# KiCad board 8851_HW-U1-VCU118_REV2-0_071417.kicad_pcb (continued)
## Routing (per net, layer and track width the routed paths; a pad name or vN(x,y) marks a point on that pad's centre or on a via; arc(x,y) is an arc through that point) (continued)
  10_GND w0.375: 26.51,125.11 26.51,126.16 ; 26.51,126.16 25.72,125.36 ; 26.51,126.16 25.46,126.16 ; 26.51,126.16 25.72,126.95 ; 26.51,126.16 27.56,126.16 ; 26.51,126.16 27.3,126.95 ; 26.51,126.16 27.3,125.36 ; 26.51,126.16 26.51,127.21 ; 52.91,23.06 54.03,23.06 ; 54.03,23.06 54.86,23.9 ; 54.03,23.06 53.19,23.9 ; 54.03,23.06 53.19,22.23 ; 54.03,23.06 54.03,24.18 ; 54.03,23.06 54.03,21.95 ; 54.03,23.06 54.86,22.23 ; 54.03,23.06 55.14,23.06 ; 54.03,55.32 54.86,54.49 ; 54.03,55.32 53.19,56.16 ; 54.03,55.32 52.91,55.32 ; 54.03,55.32 54.03,56.43 ; 54.03,55.32 53.19,54.49 ; 54.03,55.32 54.03,54.21 ; 54.03,55.32 54.86,56.16 ; 48.92,15.88 49.75,15.04 ; 48.92,15.88 48.08,16.71 ; 48.92,15.88 48.08,15.04 ; 48.92,15.88 49.75,16.71 ; 48.92,15.88 48.92,14.77 ; 48.92,15.88 48.92,16.99 ; 48.92,15.88 47.8,15.88 ; 48.92,15.88 50.03,15.88 ; 229.3,31.77 229.3,32.82 ; 229.3,31.77 229.3,30.72 ; 229.3,31.77 230.35,31.77 ; 229.3,31.77 230.09,30.98 ; 229.3,31.77 228.25,31.77 ; 229.3,31.77 228.51,30.98 ; 229.3,31.77 230.09,32.56 ; 229.3,31.77 228.51,32.56 ; 54.03,30.15 54.86,30.99 ; 54.03,30.15 55.14,30.15 ; 54.03,30.15 54.86,29.31 ; 54.03,30.15 54.03,31.26 ; 54.03,30.15 53.19,30.99 ; 54.03,30.15 53.19,29.31 ; 54.03,30.15 54.03,29.04 ; 54.03,30.15 52.91,30.15 ; 7.38,59.75 7.38,60.86 ; 7.38,59.75 6.55,58.91 ; 7.38,59.75 7.38,58.64 ; 7.38,59.75 6.27,59.75 ; 7.38,59.75 8.22,60.59 ; 7.38,59.75 8.22,58.91 ; 7.38,59.75 8.49,59.75 ; 7.38,59.75 6.55,60.59 ; 48,95.37 J27.1 ; J27.1 47.21,97.22 ; J27.1 48.79,97.22 ; J27.1 46.95,96.42 ; J27.1 47.21,95.63 ; J27.1 48.79,95.63 ; J27.1 49.05,96.42 ; J27.1 48,97.48 ; 38.39,41.05 39.5,41.05 ; 38.39,41.05 37.27,41.05 ; 38.39,41.05 39.22,40.21 ; 38.39,41.05 37.55,40.21 ; 38.39,41.05 38.39,39.94 ; 10.9,102.95 11.69,103.74 ; 10.9,102.95 11.95,102.95 ; 10.9,102.95 11.69,102.15 ; 10.9,102.95 10.11,102.15 ; 10.9,102.95 9.85,102.95 ; 10.9,102.95 10.9,104 ; 10.9,102.95 10.9,101.9 ; 10.9,102.95 10.11,103.74 ; 203.83,132.44 204.73,133.34 ; 203.83,132.44 202.93,133.34 ; 203.83,132.44 202.93,131.54 ; 203.83,132.44 205.03,132.44 ; 203.83,132.44 203.83,133.64 ; 203.83,132.44 202.63,132.44 ; 203.83,132.44 204.73,131.54 ; 203.83,132.44 203.83,131.24 ; 195.12,15.3 195.92,14.51 ; 195.12,15.3 196.18,15.3 ; 195.12,15.3 195.12,16.35 ; 195.12,15.3 194.33,16.09 ; 195.12,15.3 194.33,14.51 ; 195.12,15.3 195.92,16.09 ; 195.12,15.3 195.12,14.25 ; MH7.1 9.1,91.5 ; MH7.1 9.1,94.95 ; MH7.1 5.65,94.95 ; MH7.1 5.65,91.5 ; MH7.1 9.74,93.22 ; MH7.1 5.01,93.22 ; MH7.1 7.38,95.59 ; MH7.1 7.38,90.86 ; 43.65,60.59 44.49,59.75 ; 44.49,59.75 45.32,60.59 ; 44.49,59.75 45.32,58.91 ; 44.49,59.75 45.6,59.75 ; 44.49,59.75 44.49,58.64 ; 44.49,59.75 44.49,60.86 ; 44.49,59.75 43.65,58.91 ; 44.49,59.75 43.38,59.75 ; 208.75,131.24 208.75,132.44 ; 208.75,132.44 207.86,133.34 ; 208.75,132.44 207.55,132.44 ; 208.75,132.44 207.86,131.54 ; 208.75,132.44 209.95,132.44 ; 208.75,132.44 208.75,133.64 ; 208.75,132.44 209.65,133.34 ; 208.75,132.44 209.65,131.54 ; 53.19,49.07 54.03,48.24 ; 54.03,48.24 55.14,48.24 ; 54.03,48.24 54.86,49.07 ; 54.03,48.24 54.86,47.4 ; 54.03,48.24 52.91,48.24 ; 54.03,48.24 54.03,47.12 ; 54.03,48.24 53.19,47.4 ; 54.03,48.24 54.03,49.35 ; 37.27,15.88 38.39,15.88 ; 38.39,15.88 39.22,15.04 ; 38.39,15.88 38.39,14.77 ; 38.39,15.88 37.55,15.04 ; 38.39,15.88 39.5,15.88 ; 10.97,16.71 11.81,15.88 ; 11.81,15.88 12.92,15.88 ; 11.81,15.88 12.65,15.04 ; 11.81,15.88 12.65,16.71 ; 11.81,15.88 11.81,16.99 ; 11.81,15.88 11.81,14.77 ; 11.81,15.88 10.97,15.04 ; 11.81,15.88 10.7,15.88 ; 114.39,135.43 MH2.1 ; MH2.1 116.75,133.06 ; MH2.1 115.03,133.7 ; MH2.1 116.75,137.79 ; MH2.1 115.03,137.15 ; MH2.1 118.47,137.15 ; MH2.1 118.47,133.7 ; MH2.1 119.11,135.43 ; 210.02,134.9 211.22,134.9 ; 211.22,134.9 212.11,134 ; 211.22,134.9 211.22,133.7 ; 211.22,134.9 211.22,136.1 ; 211.22,134.9 210.32,134 ; 211.22,134.9 210.32,135.8 ; 211.22,134.9 212.11,135.8 ; 211.22,134.9 212.42,134.9 ; 15.4,58.91 16.24,59.75 ; 16.24,59.75 16.24,58.64 ; 16.24,59.75 16.24,60.86 ; 16.24,59.75 17.08,60.59 ; 16.24,59.75 17.08,58.91 ; 16.24,59.75 15.4,60.59 ; 16.24,59.75 15.13,59.75 ; 16.24,59.75 17.35,59.75 ; 229.3,38.22 229.3,39.27 ; 229.3,39.27 230.09,38.48 ; 229.3,39.27 228.51,40.06 ; 229.3,39.27 230.35,39.27 ; 229.3,39.27 228.25,39.27 ; 229.3,39.27 228.51,38.48 ; 229.3,39.27 229.3,40.32 ; 229.3,39.27 230.09,40.06 ; 29.53,14.77 29.53,15.88 ; 29.53,15.88 29.53,16.99 ; 29.53,15.88 30.36,16.71 ; 29.53,15.88 30.36,15.04 ; 29.53,15.88 28.41,15.88 ; 29.53,15.88 28.69,16.71 ; 29.53,15.88 28.69,15.04 ; 29.53,15.88 30.64,15.88 ; 197.12,34 J38.1 ; J38.1 197.92,34.26 ; J38.1 196.07,35.05 ; J38.1 198.18,35.05 ; J38.1 197.92,35.84 ; J38.1 196.33,35.84 ; J38.1 196.33,34.26 ; J38.1 197.12,36.1 ; MH1.1 234.22,166.2 ; MH1.1 232.5,170.29 ; MH1.1 232.5,165.56 ; MH1.1 234.22,169.65 ; MH1.1 234.86,167.93 ; MH1.1 230.14,167.93 ; MH1.1 230.78,169.65 ; MH1.1 230.78,166.2 ; 25.1,59.75 25.94,60.59 ; 25.1,59.75 25.1,58.64 ; 25.1,59.75 23.99,59.75 ; 25.1,59.75 24.26,58.91 ; 25.1,59.75 25.1,60.86 ; 25.1,59.75 26.21,59.75 ; 25.1,59.75 24.26,60.59 ; 25.1,59.75 25.94,58.91 ; 192.29,132.92 193.34,132.92 ; 193.34,132.92 194.13,132.13 ; 193.34,132.92 194.13,133.72 ; 193.34,132.92 192.55,132.13 ; 193.34,132.92 192.55,133.72 ; 193.34,132.92 193.34,133.97 ; 193.34,132.92 194.39,132.92 ; 193.34,132.92 193.34,131.87 ; 16.24,33.47 16.24,34.58 ; 16.24,34.58 17.08,33.74 ; 16.24,34.58 15.13,34.58 ; 16.24,34.58 17.35,34.58 ; 16.24,34.58 16.24,35.69 ; 16.24,34.58 17.08,35.42 ; 16.24,34.58 15.4,33.74 ; 16.24,34.58 15.4,35.42 ; 229.3,29.27 230.35,29.27 ; 229.3,29.27 228.51,30.06 ; 229.3,29.27 229.3,30.32 ; 229.3,29.27 230.09,28.48 ; 229.3,29.27 229.3,28.22 ; 229.3,29.27 228.51,28.48 ; 229.3,29.27 230.09,30.06 ; 229.3,29.27 228.25,29.27 ; MH3.1 130.97,22.77 ; MH3.1 127.53,19.33 ; MH3.1 126.89,21.05 ; MH3.1 127.53,22.77 ; MH3.1 129.25,23.41 ; MH3.1 130.97,19.33 ; MH3.1 129.25,18.69 ; MH3.1 131.61,21.05 ; 5.01,9.18 MH6.1 ; MH6.1 9.1,10.9 ; MH6.1 7.38,11.54 ; MH6.1 5.65,10.9 ; MH6.1 9.1,7.45 ; MH6.1 7.38,6.81 ; MH6.1 5.65,7.45 ; MH6.1 9.74,9.18 ; MH5.1 234.22,18.05 ; MH5.1 230.78,14.6 ; MH5.1 234.22,14.6 ; MH5.1 234.86,16.33 ; MH5.1 230.14,16.33 ; MH5.1 232.5,13.96 ; MH5.1 232.5,18.69 ; MH5.1 230.78,18.05 ; 7.38,33.47 7.38,34.58 ; 7.38,34.58 7.38,35.69 ; 7.38,34.58 6.27,34.58 ; 7.38,34.58 6.55,35.42 ; 7.38,34.58 8.22,35.42 ; 7.38,34.58 8.49,34.58 ; 7.38,34.58 8.22,33.74 ; 7.38,34.58 6.55,33.74 ; 5.38,141.45 MH4.1 ; MH4.1 7.1,142.09 ; MH4.1 3.65,145.53 ; MH4.1 3.01,143.81 ; MH4.1 3.65,142.09 ; MH4.1 5.38,146.18 ; MH4.1 7.1,145.53 ; MH4.1 7.74,143.81 ; 232.3,80.17 233.09,79.38 ; 232.3,80.17 233.35,80.17 ; 232.3,80.17 232.3,81.23 ; 232.3,80.17 231.51,80.97 ; 232.3,80.17 232.3,79.12 ; 232.3,80.17 231.25,80.17 ; 232.3,80.17 231.51,79.38 ; 232.3,80.17 233.09,80.97 ; 234.8,80.17 234.8,81.23 ; 234.8,80.17 234.01,79.38 ; 234.8,80.17 235.85,80.17 ; 234.8,80.17 235.59,79.38 ; 234.8,80.17 233.75,80.17 ; 234.8,80.17 235.59,80.97 ; 234.8,80.17 234.01,80.97 ; 234.8,80.17 234.8,79.12 ; v3(58.67,6.62) 58.29,6.24 58.29,5.98 57.73,5.41 U2.A12 ; 43.65,35.42 44.49,34.58 ; 44.49,34.58 43.38,34.58 ; 44.49,34.58 45.32,33.74 ; 44.49,34.58 45.6,34.58 ; 44.49,34.58 45.32,35.42 ; 44.49,34.58 43.65,33.74 ; 44.49,34.58 44.49,33.47 ; 44.49,34.58 44.49,35.69 ; 229.3,44.27 230.09,43.48 ; 229.3,44.27 229.3,45.32 ; 229.3,44.27 229.3,43.22 ; 229.3,44.27 230.35,44.27 ; 229.3,44.27 228.25,44.27 ; 229.3,44.27 230.09,45.06 ; 229.3,44.27 228.51,43.48 ; 229.3,44.27 228.51,45.06 ; 44.07,171.1 45.44,169.73 ; 44.07,171.1 42.21,171.1 ; 44.07,171.1 45.93,171.1 ; 27.46,64.51 J36.1 ; J36.1 29.04,66.09 ; J36.1 29.3,65.3 ; J36.1 27.2,65.3 ; J36.1 28.25,66.35 ; J36.1 28.25,64.25 ; J36.1 29.04,64.51 ; J36.1 27.46,66.09 ; 229.3,41.77 229.3,42.82 ; 229.3,41.77 228.25,41.77 ; 229.3,41.77 230.09,40.98 ; 229.3,41.77 230.35,41.77 ; 229.3,41.77 230.09,42.56 ; 229.3,41.77 228.51,42.56 ; 229.3,41.77 229.3,40.72 ; 229.3,41.77 228.51,40.98 ; 33.96,34.58 33.96,35.69 ; 33.96,34.58 35.07,34.58 ; 33.96,34.58 34.79,33.74 ; 33.96,34.58 32.84,34.58 ; 33.96,34.58 33.96,33.47 ; 33.96,34.58 33.12,33.74 ; 33.96,34.58 34.79,35.42 ; 33.96,34.58 33.12,35.42 ; 48.92,41.05 48.92,42.16 ; 48.92,41.05 48.08,40.21 ; 48.92,41.05 48.08,41.89 ; 48.92,41.05 47.8,41.05 ; 48.92,41.05 49.75,41.89 ; 48.92,41.05 50.03,41.05 ; 48.92,41.05 49.75,40.21 ; 48.92,41.05 48.92,39.94 ; U2.A31 76.43,5.41 v3(75.94,5.9) ; 33.96,58.64 33.96,59.75 ; 33.96,59.75 34.79,60.59 ; 33.96,59.75 33.96,60.86 ; 33.96,59.75 32.84,59.75 ; 33.96,59.75 33.12,60.59 ; 33.96,59.75 33.12,58.91 ; 33.96,59.75 34.79,58.91 ; 33.96,59.75 35.07,59.75 ; 25.1,34.58 26.21,34.58 ; 25.1,34.58 25.1,35.69 ; 25.1,34.58 24.26,35.42 ; 25.1,34.58 25.94,35.42 ; 25.1,34.58 25.1,33.47 ; 25.1,34.58 23.99,34.58 ; 25.1,34.58 24.26,33.74 ; 25.1,34.58 25.94,33.74 ; 229.3,36.77 230.09,35.98 ; 229.3,36.77 228.51,35.98 ; 229.3,36.77 228.51,37.56 ; 229.3,36.77 230.35,36.77 ; 229.3,36.77 228.25,36.77 ; 229.3,36.77 229.3,37.82 ; 229.3,36.77 230.09,37.56 ; 229.3,36.77 229.3,35.72 ; 229.3,34.27 230.09,33.48 ; 229.3,34.27 228.51,35.06 ; 229.3,34.27 228.51,33.48 ; 229.3,34.27 229.3,33.22 ; 229.3,34.27 230.09,35.06 ; 229.3,34.27 230.35,34.27 ; 229.3,34.27 228.25,34.27 ; 229.3,34.27 229.3,35.32 ; 19.83,16.71 20.67,15.88 ; 20.67,15.88 20.67,14.77 ; 20.67,15.88 21.51,16.71 ; 20.67,15.88 19.56,15.88 ; 20.67,15.88 21.78,15.88 ; 20.67,15.88 19.83,15.04 ; 20.67,15.88 20.67,16.99 ; 20.67,15.88 21.51,15.04 ; 217.71,60.51 J23.1 ; J23.1 217.71,62.09 ; J23.1 219.29,62.09 ; J23.1 217.45,61.3 ; J23.1 218.5,60.25 ; J23.1 218.5,62.35 ; J23.1 219.29,60.51 ; J23.1 219.55,61.3 ; 169.46,141.38 J24.1 ; J24.1 170.25,141.12 ; J24.1 169.46,142.97 ; J24.1 170.25,143.23 ; J24.1 169.2,142.18 ; J24.1 171.04,142.97 ; J24.1 171.3,142.18 ; J24.1 171.04,141.38 ; 220.08,17.22 J25.1 ; J25.1 219.82,16.43 ; J25.1 220.88,15.37 ; J25.1 221.67,15.63 ; J25.1 221.93,16.43 ; J25.1 221.67,17.22 ; J25.1 220.88,17.48 ; J25.1 220.08,15.63 ; v3(125.76,6.53) 125.76,6.27 126.62,5.41 U2.A82 ; 195.32,127.3 J26.1 ; J26.1 197.43,127.3 ; J26.1 195.58,126.51 ; J26.1 197.17,128.09 ; J26.1 197.17,126.51 ; J26.1 196.38,128.35 ; J26.1 195.58,128.09 ; J26.1 196.38,126.25 ; 19.83,40.21 20.67,41.05 ; 20.67,41.05 19.56,41.05 ; 20.67,41.05 21.78,41.05 ; 20.67,41.05 20.67,39.94 ; 20.67,41.05 21.51,40.21 ; 20.67,41.05 19.83,41.89 ; 20.67,41.05 21.51,41.89 ; 20.67,41.05 20.67,42.16 ; v3(94.64,5.9) 94.14,5.41 U2.A49 ; 29.53,41.05 30.64,41.05 ; 29.53,41.05 29.53,39.94 ; 29.53,41.05 28.69,41.89 ; 29.53,41.05 29.53,42.16 ; 29.53,41.05 28.41,41.05 ; 29.53,41.05 30.36,41.89 ; 29.53,41.05 30.36,40.21 ; 29.53,41.05 28.69,40.21 ; 11.81,41.05 12.65,41.89 ; 11.81,41.05 11.81,42.16 ; 11.81,41.05 12.92,41.05 ; 11.81,41.05 10.97,41.89 ; 11.81,41.05 12.65,40.21 ; 11.81,41.05 11.81,39.94 ; 11.81,41.05 10.97,40.21 ; 11.81,41.05 10.7,41.05 ; U2.A51 96.11,5.41 v3(96.6,5.9) ; 225.05,63.97 225.84,63.17 ; 225.05,63.97 225.84,64.76 ; 225.05,63.97 225.05,62.92 ; 225.05,63.97 224,63.97 ; 225.05,63.97 225.05,65.02 ; 225.05,63.97 224.26,63.17 ; 225.05,63.97 226.1,63.97 ; 225.05,63.97 224.26,64.76 ; U2.A18 63.63,5.41 v3(63.14,5.9) ; v3(66.09,5.9) 65.6,5.41 U2.A20 ; 226.76,64.76 227.55,63.97 ; 227.55,63.97 226.76,63.17 ; 227.55,63.97 227.55,62.92 ; 227.55,63.97 227.55,65.02 ; 227.55,63.97 228.34,63.17 ; 227.55,63.97 228.6,63.97 ; 227.55,63.97 228.34,64.76 ; 227.55,63.97 226.5,63.97 ; 26.61,169.73 27.98,171.1 ; 27.98,171.1 29.84,171.1 ; 27.98,171.1 26.12,171.1 ; v3(61.17,5.9) 60.68,5.41 U2.A15 ; 23.79,88.11 24.58,88.9 ; 24.58,88.9 24.58,89.95 ; 24.58,88.9 25.63,88.9 ; 24.58,88.9 23.53,88.9 ; 24.58,88.9 25.37,88.11 ; 24.58,88.9 25.37,89.69 ; 24.58,88.9 23.79,89.69 ; 24.58,88.9 24.58,87.85 ; U2.A34 79.38,5.41 v3(79.87,5.9) ; U2.A4 v3(47.88,7.02)
  10_GND w0.5: J35.3 69.58,127.45 ; J35.3 69.24,128.42 ; J35.3 67.31,126.49 ; J35.3 67.31,128.42 ; J35.3 68.28,128.75 ; J35.3 69.24,126.49 ; J35.3 68.28,126.15 ; J35.3 66.98,127.45 ; 54.56,111.49 J32.2 ; J32.2 56.49,111.49 ; J32.2 56.49,113.42 ; J32.2 55.53,113.75 ; J32.2 56.83,112.45 ; J32.2 54.23,112.45 ; J32.2 55.53,111.15 ; J32.2 54.56,113.42 ; 55.53,99.4 J33.2 ; J33.2 55.53,102 ; J33.2 54.56,99.74 ; J33.2 54.56,101.67 ; J33.2 56.83,100.7 ; J33.2 56.49,101.67 ; J33.2 54.23,100.7 ; J33.2 56.49,99.74 ; J32.5 61.49,108.42 ; J32.5 59.56,106.49 ; J32.5 61.83,107.45 ; J32.5 60.53,106.15 ; J32.5 59.56,108.42 ; J32.5 61.49,106.49 ; J32.5 59.23,107.45 ; J32.5 60.53,108.75 ; J31.2 16.12,99.74 ; J31.2 16.12,101.67 ; J31.2 15.15,102 ; J31.2 14.18,101.67 ; J31.2 16.45,100.7 ; J31.2 13.85,100.7 ; J31.2 15.15,99.4 ; J31.2 14.18,99.74 ; J35.5 74.24,128.42 ; J35.5 74.58,127.45 ; J35.5 72.31,126.49 ; J35.5 73.28,128.75 ; J35.5 74.24,126.49 ; J35.5 73.28,126.15 ; J35.5 72.31,128.42 ; J35.5 71.98,127.45 ; 20.15,94.4 J31.5 ; J31.5 20.15,97 ; J31.5 21.12,94.74 ; J31.5 19.18,94.74 ; J31.5 21.12,96.67 ; J31.5 21.45,95.7 ; J31.5 19.18,96.67 ; J31.5 18.85,95.7 ; 25.6,95.7 J30.3 ; J30.3 26.9,94.4 ; J30.3 26.9,97 ; J30.3 25.93,94.74 ; J30.3 27.87,94.74 ; J30.3 25.93,96.67 ; J30.3 28.2,95.7 ; J30.3 27.87,96.67 ; 55.53,106.15 J32.3 ; J32.3 54.56,106.49 ; J32.3 54.56,108.42 ; J32.3 55.53,108.75 ; J32.3 56.83,107.45 ; J32.3 54.23,107.45 ; J32.3 56.49,108.42 ; J32.3 56.49,106.49 ; J30.5 33.2,95.7 ; J30.5 30.6,95.7 ; J30.5 32.87,96.67 ; J30.5 31.9,97 ; J30.5 30.93,96.67 ; J30.5 30.93,94.74 ; J30.5 32.87,94.74 ; J30.5 31.9,94.4 ; J31.4 21.12,101.67 ; J31.4 19.18,101.67 ; J31.4 19.18,99.74 ; J31.4 20.15,102 ; J31.4 18.85,100.7 ; J31.4 21.45,100.7 ; J31.4 21.12,99.74 ; J31.4 20.15,99.4 ; 59.56,94.74 J33.5 ; J33.5 60.53,97 ; J33.5 61.49,96.67 ; J33.5 61.49,94.74 ; J33.5 59.56,96.67 ; J33.5 59.23,95.7 ; J33.5 61.83,95.7 ; J33.5 60.53,94.4 ; J34.3 80.99,128.42 ; J34.3 79.06,128.42 ; J34.3 81.33,127.45 ; J34.3 80.99,126.49 ; J34.3 80.03,128.75 ; J34.3 78.73,127.45 ; J34.3 80.03,126.15 ; J34.3 79.06,126.49 ; J33.3 55.53,97 ; J33.3 56.49,96.67 ; J33.3 56.83,95.7 ; J33.3 56.49,94.74 ; J33.3 55.53,94.4 ; J33.3 54.56,96.67 ; J33.3 54.56,94.74 ; J33.3 54.23,95.7 ; J33.4 61.49,101.67 ; J33.4 61.83,100.7 ; J33.4 59.56,99.74 ; J33.4 60.53,102 ; J33.4 61.49,99.74 ; J33.4 59.23,100.7 ; J33.4 59.56,101.67 ; J33.4 60.53,99.4 ; J31.3 16.12,94.74 ; J31.3 15.15,97 ; J31.3 14.18,94.74 ; J31.3 14.18,96.67 ; J31.3 16.12,96.67 ; J31.3 16.45,95.7 ; J31.3 13.85,95.7 ; J31.3 15.15,94.4 ; J32.4 60.53,113.75 ; J32.4 61.49,113.42 ; J32.4 60.53,111.15 ; J32.4 61.49,111.49 ; J32.4 59.56,111.49 ; J32.4 61.83,112.45 ; J32.4 59.56,113.42 ; J32.4 59.23,112.45 ; 25.93,99.74 J30.2 ; J30.2 28.2,100.7 ; J30.2 25.93,101.67 ; J30.2 26.9,99.4 ; J30.2 25.6,100.7 ; J30.2 26.9,102 ; J30.2 27.87,99.74 ; J30.2 27.87,101.67 ; 30.93,101.67 J30.4 ; J30.4 33.2,100.7 ; J30.4 30.6,100.7 ; J30.4 31.9,102 ; J30.4 32.87,99.74 ; J30.4 30.93,99.74 ; J30.4 32.87,101.67 ; J30.4 31.9,99.4 ; J35.2 69.24,133.42 ; J35.2 67.31,131.49 ; J35.2 69.24,131.49 ; J35.2 68.28,131.15 ; J35.2 68.28,133.75 ; J35.2 67.31,133.42 ; J35.2 66.98,132.45 ; J35.2 69.58,132.45 ; J35.4 74.24,131.49 ; J35.4 74.58,132.45 ; J35.4 73.28,133.75 ; J35.4 73.28,131.15 ; J35.4 72.31,131.49 ; J35.4 71.98,132.45 ; J35.4 72.31,133.42 ; J35.4 74.24,133.42 ; 84.06,133.42 J34.4 ; J34.4 83.73,132.45 ; J34.4 85.03,133.75 ; J34.2 80.03,133.75 ; J34.2 81.33,132.45 ; J34.2 79.06,133.42 ; J34.2 78.73,132.45 ; J34.2 80.99,133.42 ; J34.2 79.06,131.49 ; J34.2 80.99,131.49 ; J34.2 80.03,131.15
  12_PWR3 w0.15: v2(102.6,66.77) 103.08,66.29 103.08,65.23 103.42,64.9 103.8,64.9 104.09,64.6 104.09,59.6 103.88,59.39 103.33,59.39 103.09,59.16 103.09,58.59 102.92,58.42 102.28,58.42 102.08,58.21 102.08,50.85 101.73,50.5 98.38,50.5 98.16,50.28 98.16,48.89 97.83,48.56 93.26,48.56 92.83,48.12 91.2,48.12 90.05,46.98 83.76,46.98 81.39,44.61 81.39,43.36 81.47,43.28 81.47,31.29 83.06,29.7 106.79,29.7 108.59,27.9 114.63,27.9 115.88,29.15 117.63,29.15 118.61,28.18 126.81,28.18 129.5,30.86 135.14,30.86 v3(135.57,30.43)
  13_GND w0.375: 32.84,59.75 33.96,59.75 ; 33.96,59.75 33.12,60.59 ; 33.96,59.75 33.96,58.64 ; 33.96,59.75 34.79,60.59 ; 33.96,59.75 33.12,58.91 ; 33.96,59.75 35.07,59.75 ; 33.96,59.75 34.79,58.91 ; 33.96,59.75 33.96,60.86 ; 217.71,62.09 J23.1 ; J23.1 217.71,60.51 ; J23.1 219.29,60.51 ; J23.1 218.5,62.35 ; J23.1 217.45,61.3 ; J23.1 219.29,62.09 ; J23.1 218.5,60.25 ; J23.1 219.55,61.3 ; 203.83,132.44 203.83,133.64 ; 203.83,132.44 202.93,131.54 ; 203.83,132.44 204.73,133.34 ; 203.83,132.44 203.83,131.24 ; 203.83,132.44 204.73,131.54 ; 203.83,132.44 205.03,132.44 ; 203.83,132.44 202.63,132.44 ; 203.83,132.44 202.93,133.34 ; 229.3,33.22 229.3,34.27 ; 229.3,34.27 228.25,34.27 ; 229.3,34.27 230.09,35.06 ; 229.3,34.27 230.35,34.27 ; 229.3,34.27 230.09,33.48 ; 229.3,34.27 229.3,35.32 ; 229.3,34.27 228.51,33.48 ; 229.3,34.27 228.51,35.06 ; 100.65,127.9 J105.6 ; J105.6 102.24,126.32 ; J105.6 101.44,128.16 ; J105.6 102.24,127.9 ; J105.6 102.49,127.11 ; J105.6 100.39,127.11 ; J105.6 101.44,126.06 ; J105.6 100.65,126.32 ; 44.49,34.58 45.32,35.42 ; 44.49,34.58 43.65,33.74 ; 44.49,34.58 45.32,33.74 ; 44.49,34.58 45.6,34.58 ; 44.49,34.58 44.49,33.47 ; 44.49,34.58 44.49,35.69 ; 44.49,34.58 43.38,34.58 ; 44.49,34.58 43.65,35.42 ; 52.91,23.06 54.03,23.06 ; 54.03,23.06 55.14,23.06 ; 54.03,23.06 54.03,21.95 ; 54.03,23.06 54.86,22.23 ; 54.03,23.06 54.03,24.18 ; 54.03,23.06 54.86,23.9 ; 54.03,23.06 53.19,23.9 ; 54.03,23.06 53.19,22.23 ; 229.3,29.27 230.09,30.06 ; 229.3,29.27 229.3,30.32 ; 229.3,29.27 228.25,29.27 ; 229.3,29.27 230.09,28.48 ; 229.3,29.27 230.35,29.27 ; 229.3,29.27 228.51,30.06 ; 229.3,29.27 228.51,28.48 ; 229.3,29.27 229.3,28.22 ; 43.65,58.91 44.49,59.75 ; 44.49,59.75 45.32,58.91 ; 44.49,59.75 45.32,60.59 ; 44.49,59.75 44.49,58.64 ; 44.49,59.75 44.49,60.86 ; 44.49,59.75 45.6,59.75 ; 44.49,59.75 43.38,59.75 ; 44.49,59.75 43.65,60.59 ; 232.3,80.17 232.3,81.23 ; 232.3,80.17 231.51,79.38 ; 232.3,80.17 233.09,80.97 ; 232.3,80.17 232.3,79.12 ; 232.3,80.17 233.35,80.17 ; 232.3,80.17 231.51,80.97 ; 232.3,80.17 233.09,79.38 ; 232.3,80.17 231.25,80.17 ; 28.69,16.71 29.53,15.88 ; 29.53,15.88 30.36,15.04 ; 29.53,15.88 28.69,15.04 ; 29.53,15.88 30.64,15.88 ; 29.53,15.88 28.41,15.88 ; 29.53,15.88 29.53,16.99 ; 29.53,15.88 29.53,14.77 ; 29.53,15.88 30.36,16.71 ; 19.83,40.21 20.67,41.05 ; 20.67,41.05 21.78,41.05 ; 20.67,41.05 21.51,40.21 ; 20.67,41.05 19.83,41.89 ; 20.67,41.05 21.51,41.89 ; 20.67,41.05 19.56,41.05 ; 20.67,41.05 20.67,42.16 ; 20.67,41.05 20.67,39.94 ; 228.25,36.77 229.3,36.77 ; 229.3,36.77 229.3,37.82 ; 229.3,36.77 230.09,35.98 ; 229.3,36.77 228.51,37.56 ; 229.3,36.77 229.3,35.72 ; 229.3,36.77 228.51,35.98 ; 229.3,36.77 230.09,37.56 ; 229.3,36.77 230.35,36.77 ; 25.1,34.58 25.1,35.69 ; 25.1,34.58 24.26,33.74 ; 25.1,34.58 25.1,33.47 ; 25.1,34.58 24.26,35.42 ; 25.1,34.58 26.21,34.58 ; 25.1,34.58 25.94,33.74 ; 25.1,34.58 25.94,35.42 ; 25.1,34.58 23.99,34.58 ; 29.53,41.05 30.64,41.05 ; 29.53,41.05 30.36,41.89 ; 29.53,41.05 29.53,42.16 ; 29.53,41.05 28.69,41.89 ; 29.53,41.05 28.41,41.05 ; 29.53,41.05 29.53,39.94 ; 29.53,41.05 28.69,40.21 ; 29.53,41.05 30.36,40.21 ; 7.38,34.58 8.49,34.58 ; 7.38,34.58 7.38,35.69 ; 7.38,34.58 6.27,34.58 ; 7.38,34.58 8.22,33.74 ; 7.38,34.58 8.22,35.42 ; 7.38,34.58 6.55,33.74 ; 7.38,34.58 6.55,35.42 ; 7.38,34.58 7.38,33.47 ; 169.46,142.97 J24.1 ; J24.1 170.25,141.12 ; J24.1 171.04,141.38 ; J24.1 171.04,142.97 ; J24.1 169.2,142.18 ; J24.1 171.3,142.18 ; J24.1 169.46,141.38 ; J24.1 170.25,143.23 ; 10.11,102.15 10.9,102.95 ; 10.9,102.95 11.69,102.15 ; 10.9,102.95 10.11,103.74 ; 10.9,102.95 11.95,102.95 ; 10.9,102.95 9.85,102.95 ; 10.9,102.95 11.69,103.74 ; 10.9,102.95 10.9,101.9 ; 10.9,102.95 10.9,104 ; 26.51,126.16 27.56,126.16 ; 26.51,126.16 27.3,125.36 ; 26.51,126.16 26.51,125.11 ; 26.51,126.16 27.3,126.95 ; 26.51,126.16 26.51,127.21 ; 26.51,126.16 25.72,126.95 ; 26.51,126.16 25.72,125.36 ; 26.51,126.16 25.46,126.16 ; 54.03,48.24 54.86,47.4 ; 54.03,48.24 54.03,49.35 ; 54.03,48.24 55.14,48.24 ; 54.03,48.24 54.86,49.07 ; 54.03,48.24 54.03,47.12 ; 54.03,48.24 53.19,47.4 ; 54.03,48.24 52.91,48.24 ; 54.03,48.24 53.19,49.07 ; 33.96,34.58 34.79,33.74 ; 33.96,34.58 33.96,35.69 ; 33.96,34.58 32.84,34.58 ; 33.96,34.58 33.12,35.42 ; 33.96,34.58 35.07,34.58 ; 33.96,34.58 33.12,33.74 ; 33.96,34.58 34.79,35.42 ; 33.96,34.58 33.96,33.47 ; 225.05,63.97 225.05,65.02 ; 225.05,63.97 224.26,63.17 ; 225.05,63.97 225.05,62.92 ; 225.05,63.97 224.26,64.76 ; 225.05,63.97 225.84,63.17 ; 225.05,63.97 225.84,64.76 ; 225.05,63.97 226.1,63.97 ; 225.05,63.97 224,63.97 ; MH6.1 9.1,10.9 ; MH6.1 7.38,11.54 ; MH6.1 5.01,9.18 ; MH6.1 9.1,7.45 ; MH6.1 9.74,9.18 ; MH6.1 5.65,7.45 ; MH6.1 7.38,6.81 ; MH6.1 5.65,10.9 ; 20.67,14.77 20.67,15.88 ; 20.67,15.88 21.78,15.88 ; 20.67,15.88 19.83,15.04 ; 20.67,15.88 19.56,15.88 ; 20.67,15.88 21.51,15.04 ; 20.67,15.88 20.67,16.99 ; 20.67,15.88 19.83,16.71 ; 20.67,15.88 21.51,16.71 ; 234.01,79.38 234.8,80.17 ; 234.8,80.17 235.85,80.17 ; 234.8,80.17 234.8,79.12 ; 234.8,80.17 234.01,80.97 ; 234.8,80.17 234.8,81.23 ; 234.8,80.17 235.59,79.38 ; 234.8,80.17 235.59,80.97 ; 234.8,80.17 233.75,80.17 ; 192.29,132.92 193.34,132.92 ; 193.34,132.92 193.34,131.87 ; 193.34,132.92 192.55,132.13 ; 193.34,132.92 194.39,132.92 ; 193.34,132.92 194.13,132.13 ; 193.34,132.92 194.13,133.72 ; 193.34,132.92 193.34,133.97 ; 193.34,132.92 192.55,133.72 ; 229.3,39.27 229.3,40.32 ; 229.3,39.27 228.51,38.48 ; 229.3,39.27 230.35,39.27 ; 229.3,39.27 228.25,39.27 ; 229.3,39.27 229.3,38.22 ; 229.3,39.27 228.51,40.06 ; 229.3,39.27 230.09,38.48 ; 229.3,39.27 230.09,40.06 ; 54.03,55.32 54.86,56.16 ; 54.03,55.32 54.03,54.21 ; 54.03,55.32 54.86,54.49 ; 54.03,55.32 53.19,54.49 ; 54.03,55.32 54.03,56.43 ; 54.03,55.32 53.19,56.16 ; 54.03,55.32 52.91,55.32 ; 11.81,15.88 11.81,16.99 ; 11.81,15.88 10.97,16.71 ; 11.81,15.88 10.7,15.88 ; 11.81,15.88 11.81,14.77 ; 11.81,15.88 12.65,15.04 ; 11.81,15.88 12.65,16.71 ; 11.81,15.88 12.92,15.88 ; 11.81,15.88 10.97,15.04 ; 211.22,134.9 211.22,136.1 ; 211.22,134.9 212.11,135.8 ; 211.22,134.9 212.11,134 ; 211.22,134.9 210.32,135.8 ; 211.22,134.9 211.22,133.7 ; 211.22,134.9 210.32,134 ; 211.22,134.9 212.42,134.9 ; 211.22,134.9 210.02,134.9 ; MH7.1 7.38,95.59 ; MH7.1 7.38,90.86 ; MH7.1 9.1,94.95 ; MH7.1 9.74,93.22 ; MH7.1 5.65,91.5 ; MH7.1 5.65,94.95 ; MH7.1 5.01,93.22 ; MH7.1 9.1,91.5 ; 195.58,126.51 J26.1 ; J26.1 197.43,127.3 ; J26.1 195.58,128.09 ; J26.1 197.17,128.09 ; J26.1 196.38,128.35 ; J26.1 197.17,126.51 ; J26.1 196.38,126.25 ; J26.1 195.32,127.3 ; 54.03,30.15 54.86,29.31 ; 54.03,30.15 53.19,30.99 ; 54.03,30.15 54.03,31.26 ; 54.03,30.15 55.14,30.15 ; 54.03,30.15 52.91,30.15 ; 54.03,30.15 53.19,29.31 ; 54.03,30.15 54.03,29.04 ; 54.03,30.15 54.86,30.99 ; 7.38,58.64 7.38,59.75 ; 7.38,59.75 8.22,58.91 ; 7.38,59.75 6.55,58.91 ; 7.38,59.75 7.38,60.86 ; 7.38,59.75 6.55,60.59 ; 7.38,59.75 8.49,59.75 ; 7.38,59.75 8.22,60.59 ; 7.38,59.75 6.27,59.75 ; 208.75,131.24 208.75,132.44 ; 208.75,132.44 209.65,133.34 ; 208.75,132.44 209.95,132.44 ; 208.75,132.44 209.65,131.54 ; 208.75,132.44 207.86,133.34 ; 208.75,132.44 207.86,131.54 ; 208.75,132.44 207.55,132.44 ; 208.75,132.44 208.75,133.64 ; J27.1 49.05,96.42 ; J27.1 48.79,97.22 ; J27.1 46.95,96.42 ; J27.1 47.21,95.63 ; J27.1 47.21,97.22 ; J27.1 48.79,95.63 ; J27.1 48,95.37 ; J27.1 48,97.48 ; MH4.1 7.1,145.53 ; MH4.1 3.65,145.53 ; MH4.1 5.38,146.18 ; MH4.1 3.65,142.09 ; MH4.1 7.74,143.81 ; MH4.1 3.01,143.81 ; MH4.1 5.38,141.45 ; MH4.1 7.1,142.09 ; 42.21,171.1 44.07,171.1 ; 44.07,171.1 45.93,171.1 ; 44.07,171.1 45.44,169.73 ; 48.92,39.94 48.92,41.05 ; 48.92,41.05 48.08,41.89 ; 48.92,41.05 48.08,40.21 ; 48.92,41.05 49.75,41.89 ; 48.92,41.05 48.92,42.16 ; 48.92,41.05 49.75,40.21 ; 48.92,41.05 47.8,41.05 ; 48.92,41.05 50.03,41.05 ; 37.27,41.05 38.39,41.05 ; 38.39,41.05 39.5,41.05 ; 38.39,41.05 39.22,40.21 ; 38.39,41.05 37.55,40.21 ; 38.39,41.05 38.39,39.94 ; 11.81,41.05 12.65,40.21 ; 11.81,41.05 12.92,41.05 ; 11.81,41.05 10.97,41.89 ; 11.81,41.05 11.81,39.94 ; 11.81,41.05 10.97,40.21 ; 11.81,41.05 12.65,41.89 ; 11.81,41.05 11.81,42.16 ; 11.81,41.05 10.7,41.05 ; 37.55,15.04 38.39,15.88 ; 38.39,15.88 37.27,15.88 ; 38.39,15.88 39.5,15.88 ; 38.39,15.88 39.22,15.04 ; 38.39,15.88 38.39,14.77 ; 23.53,88.9 24.58,88.9 ; 24.58,88.9 25.37,88.11 ; 24.58,88.9 23.79,88.11 ; 24.58,88.9 24.58,87.85 ; 24.58,88.9 24.58,89.95 ; 24.58,88.9 23.79,89.69 ; 24.58,88.9 25.37,89.69 ; 24.58,88.9 25.63,88.9 ; 127.53,22.77 MH3.1 ; MH3.1 127.53,19.33 ; MH3.1 131.61,21.05 ; MH3.1 130.97,22.77 ; MH3.1 130.97,19.33 ; MH3.1 129.25,23.41 ; MH3.1 126.89,21.05 ; MH3.1 129.25,18.69 ; J25.1 221.67,17.22 ; J25.1 220.88,15.37 ; J25.1 220.08,17.22 ; J25.1 221.93,16.43 ; J25.1 219.82,16.43 ; J25.1 221.67,15.63 ; J25.1 220.88,17.48 ; J25.1 220.08,15.63 ; MH5.1 234.22,14.6 ; MH5.1 234.22,18.05 ; MH5.1 230.78,18.05 ; MH5.1 232.5,18.69 ; MH5.1 232.5,13.96 ; MH5.1 230.78,14.6 ; MH5.1 230.14,16.33 ; MH5.1 234.86,16.33 ; 16.24,33.47 16.24,34.58 ; 16.24,34.58 15.13,34.58 ; 16.24,34.58 17.08,33.74 ; 16.24,34.58 17.35,34.58 ; 16.24,34.58 16.24,35.69 ; 16.24,34.58 15.4,33.74 ; 16.24,34.58 15.4,35.42 ; 16.24,34.58 17.08,35.42 ; 229.3,41.77 229.3,42.82 ; 229.3,41.77 230.09,40.98 ; 229.3,41.77 228.25,41.77 ; 229.3,41.77 228.51,40.98 ; 229.3,41.77 229.3,40.72 ; 229.3,41.77 230.35,41.77 ; 229.3,41.77 228.51,42.56 ; 229.3,41.77 230.09,42.56 ; MH2.1 119.11,135.43 ; MH2.1 115.03,133.7 ; MH2.1 116.75,137.79 ; MH2.1 115.03,137.15 ; MH2.1 114.39,135.43 ; MH2.1 118.47,137.15 ; MH2.1 118.47,133.7 ; MH2.1 116.75,133.06 ; 195.12,14.25 195.12,15.3 ; 195.12,15.3 195.92,16.09 ; 195.12,15.3 194.33,14.51 ; 195.12,15.3 194.33,16.09 ; 195.12,15.3 196.18,15.3 ; 195.12,15.3 195.12,16.35 ; 195.12,15.3 195.92,14.51 ; 227.55,62.92 227.55,63.97 ; 227.55,63.97 228.34,63.17 ; 227.55,63.97 226.76,63.17 ; 227.55,63.97 226.76,64.76 ; 227.55,63.97 228.6,63.97 ; 227.55,63.97 226.5,63.97 ; 227.55,63.97 228.34,64.76 ; 227.55,63.97 227.55,65.02 ; J38.1 198.18,35.05 ; J38.1 197.92,34.26 ; J38.1 196.33,34.26 ; J38.1 196.33,35.84 ; J38.1 197.12,36.1 ; J38.1 197.92,35.84 ; J38.1 197.12,34 ; J38.1 196.07,35.05 ; 230.14,167.93 MH1.1 ; MH1.1 234.22,166.2 ; MH1.1 234.86,167.93 ; MH1.1 232.5,165.56 ; MH1.1 234.22,169.65 ; MH1.1 232.5,170.29 ; MH1.1 230.78,166.2 ; MH1.1 230.78,169.65 ; J36.1 29.04,66.09 ; J36.1 28.25,64.25 ; J36.1 27.46,64.51 ; J36.1 27.2,65.3 ; J36.1 28.25,66.35 ; J36.1 29.3,65.3 ; J36.1 29.04,64.51 ; J36.1 27.46,66.09 ; 48.92,14.77 48.92,15.88 ; 48.92,15.88 50.03,15.88 ; 48.92,15.88 47.8,15.88 ; 48.92,15.88 48.08,16.71 ; 48.92,15.88 48.92,16.99 ; 48.92,15.88 49.75,16.71 ; 48.92,15.88 48.08,15.04 ; 48.92,15.88 49.75,15.04 ; 16.24,59.75 17.08,58.91 ; 16.24,59.75 16.24,60.86 ; 16.24,59.75 15.13,59.75 ; 16.24,59.75 15.4,60.59 ; 16.24,59.75 17.35,59.75 ; 16.24,59.75 16.24,58.64 ; 16.24,59.75 15.4,58.91 ; 16.24,59.75 17.08,60.59 ; 229.3,44.27 229.3,45.32 ; 229.3,44.27 228.51,45.06 ; 229.3,44.27 228.25,44.27 ; 229.3,44.27 230.09,45.06 ; 229.3,44.27 230.35,44.27 ; 229.3,44.27 228.51,43.48 ; 229.3,44.27 229.3,43.22 ; 229.3,44.27 230.09,43.48 ; 228.51,32.56 229.3,31.77 ; 229.3,31.77 229.3,32.82 ; 229.3,31.77 228.25,31.77 ; 229.3,31.77 230.09,32.56 ; 229.3,31.77 229.3,30.72 ; 229.3,31.77 230.35,31.77 ; 229.3,31.77 228.51,30.98 ; 229.3,31.77 230.09,30.98 ; 27.98,171.1 29.84,171.1 ; 27.98,171.1 26.61,169.73 ; 27.98,171.1 26.12,171.1 ; 25.1,59.75 25.1,60.86 ; 25.1,59.75 26.21,59.75 ; 25.1,59.75 25.1,58.64 ; 25.1,59.75 23.99,59.75 ; 25.1,59.75 25.94,58.91 ; 25.1,59.75 24.26,58.91 ; 25.1,59.75 25.94,60.59 ; 25.1,59.75 24.26,60.59
  13_GND w0.5: 84.06,133.42 J34.4 ; J34.4 84.06,131.49 ; J34.4 83.73,132.45 ; J34.4 85.03,133.75 ; J34.4 85.99,131.49 ; J34.4 85.03,131.15 ; J34.4 86.33,132.45 ; J34.4 85.99,133.42 ; 30.93,96.67 J30.5 ; J30.5 31.9,94.4 ; J30.5 33.2,95.7 ; J30.5 30.6,95.7 ; J30.5 31.9,97 ; J30.5 32.87,94.74 ; J30.5 32.87,96.67 ; J30.5 30.93,94.74 ; J31.4 21.12,101.67 ; J31.4 18.85,100.7 ; J31.4 20.15,99.4 ; J31.4 19.18,101.67 ; J31.4 19.18,99.74 ; J31.4 21.45,100.7 ; J31.4 20.15,102 ; J31.4 21.12,99.74 ; J33.5 61.83,95.7 ; J33.5 59.56,94.74 ; J33.5 60.53,94.4 ; J33.5 59.23,95.7 ; J33.5 59.56,96.67 ; J33.5 60.53,97 ; J33.5 61.49,96.67 ; J33.5 61.49,94.74 ; 54.56,113.42 J32.2 ; J32.2 56.83,112.45 ; J32.2 55.53,113.75 ; J32.2 56.49,113.42 ; J32.2 55.53,111.15 ; J32.2 54.23,112.45 ; J32.2 54.56,111.49 ; J32.2 56.49,111.49 ; 30.93,99.74 J30.4 ; J30.4 30.6,100.7 ; J30.4 33.2,100.7 ; J30.4 31.9,102 ; J30.4 32.87,101.67 ; J30.4 32.87,99.74 ; J30.4 31.9,99.4 ; J30.4 30.93,101.67 ; 54.23,95.7 J33.3 ; J33.3 54.56,94.74 ; J33.3 55.53,97 ; J33.3 54.56,96.67 ; J33.3 55.53,94.4 ; J33.3 56.49,94.74 ; J33.3 56.49,96.67 ; J33.3 56.83,95.7 ; 54.56,106.49 J32.3 ; J32.3 56.49,106.49 ; J32.3 56.83,107.45 ; J32.3 54.56,108.42 ; J32.3 55.53,108.75 ; J32.3 55.53,106.15 ; J32.3 54.23,107.45 ; J32.3 56.49,108.42 ; 25.93,94.74 J30.3 ; J30.3 25.6,95.7 ; J30.3 27.87,96.67 ; J30.3 27.87,94.74 ; J30.3 28.2,95.7 ; J30.3 26.9,97 ; J30.3 26.9,94.4 ; J30.3 25.93,96.67 ; 55.53,99.4 J33.2 ; J33.2 56.83,100.7 ; J33.2 55.53,102 ; J33.2 54.56,99.74 ; J33.2 56.49,99.74 ; J33.2 56.49,101.67 ; J33.2 54.56,101.67 ; J33.2 54.23,100.7 ; J31.5 21.12,94.74 ; J31.5 19.18,94.74 ; J31.5 21.45,95.7 ; J31.5 21.12,96.67 ; J31.5 18.85,95.7 ; J31.5 20.15,97 ; J31.5 19.18,96.67 ; J31.5 20.15,94.4 ; J35.2 69.58,132.45 ; J35.2 67.31,133.42 ; J35.2 66.98,132.45 ; J35.2 68.28,131.15 ; J35.2 67.31,131.49 ; J35.2 69.24,131.49 ; J35.2 68.28,133.75 ; J35.2 69.24,133.42 ; 79.06,131.49 J34.2 ; J34.2 80.03,133.75 ; J34.2 80.99,133.42 ; J34.2 78.73,132.45 ; J34.2 79.06,133.42 ; J34.2 80.03,131.15 ; J34.2 81.33,132.45 ; J34.2 80.99,131.49 ; 59.56,111.49 J32.4 ; J32.4 61.83,112.45 ; J32.4 61.49,111.49 ; J32.4 60.53,113.75 ; J32.4 59.23,112.45 ; J32.4 61.49,113.42 ; J32.4 60.53,111.15 ; J32.4 59.56,113.42 ; J34.3 81.33,127.45 ; J34.3 78.73,127.45 ; J34.3 80.03,128.75 ; J34.3 80.99,126.49 ; J34.3 79.06,126.49 ; J34.3 79.06,128.42 ; J34.3 80.99,128.42 ; J34.3 80.03,126.15 ; J32.5 60.53,108.75 ; J32.5 59.56,106.49 ; J32.5 60.53,106.15 ; J32.5 59.23,107.45 ; J32.5 59.56,108.42 ; J32.5 61.49,108.42 ; J32.5 61.49,106.49 ; J32.5 61.83,107.45 ; J31.3 16.12,94.74 ; J31.3 16.12,96.67 ; J31.3 14.18,94.74 ; J31.3 14.18,96.67 ; J31.3 16.45,95.7 ; J31.3 15.15,94.4 ; J31.3 15.15,97 ; J31.3 13.85,95.7 ; 25.6,100.7 J30.2 ; J30.2 26.9,102 ; J30.2 25.93,101.67 ; J30.2 28.2,100.7 ; J30.2 26.9,99.4 ; J30.2 25.93,99.74 ; J30.2 27.87,101.67 ; J30.2 27.87,99.74 ; J35.3 69.58,127.45 ; J35.3 68.28,126.15 ; J35.3 69.24,126.49 ; J35.3 67.31,126.49 ; J35.3 66.98,127.45 ; J35.3 67.31,128.42 ; J35.3 68.28,128.75 ; J35.3 69.24,128.42 ; 59.56,101.67 J33.4 ; J33.4 60.53,99.4 ; J33.4 59.56,99.74 ; J33.4 61.49,99.74 ; J33.4 60.53,102 ; J33.4 59.23,100.7 ; J33.4 61.49,101.67 ; J33.4 61.83,100.7 ; J35.4 74.24,133.42 ; J35.4 73.28,131.15 ; J35.4 73.28,133.75 ; J35.4 74.58,132.45 ; J35.4 72.31,131.49 ; J35.4 74.24,131.49 ; J35.4 72.31,133.42 ; J35.4 71.98,132.45 ; 72.31,128.42 J35.5 ; J35.5 73.28,126.15 ; J35.5 74.24,128.42 ; J35.5 74.58,127.45 ; J35.5 71.98,127.45 ; J35.5 74.24,126.49 ; J35.5 73.28,128.75 ; J35.5 72.31,126.49 ; 14.18,99.74 J31.2 ; J31.2 15.15,99.4 ; J31.2 16.45,100.7 ; J31.2 14.18,101.67 ; J31.2 13.85,100.7 ; J31.2 16.12,99.74 ; J31.2 15.15,102 ; J31.2 16.12,101.67 ; J34.5 85.99,128.42 ; J34.5 84.06,128.42 ; J34.5 83.73,127.45 ; J34.5 85.99,126.49 ; J34.5 86.33,127.45 ; J34.5 85.03,128.75 ; J34.5 84.06,126.49 ; J34.5 85.03,126.15
  14_SIG4 w0.138: v2(129.17,88.43) 128.83,88.43 128.39,87.99 128,87.99 127.63,87.62 127.63,87.2 127.39,86.96 127.11,86.96 126.74,86.6 126.74,86.13 126.56,85.94 126.04,85.94 125.69,85.59 125.69,85.27 125.46,85.05 125.05,85.05 124.74,84.73 124.74,80.36 125.04,80.06 125.4,80.06 125.4,80.05 125.43,80.05 125.71,79.77 125.71,79.46 126.16,79.02 126.4,79.02 126.65,78.76 126.65,78.48 127.06,78.07 127.34,78.07 127.72,77.69 127.72,77.46 128.02,77.15 128.32,77.15 128.68,76.79 128.68,74.41 128.42,74.15 127.96,74.15 127.7,73.89 127.7,73.38 127.49,73.16 124.01,73.16 123.7,72.85 123.7,72.5 123.43,72.23 123.12,72.23 122.77,71.88 122.77,71.52 122.76,71.52 122.76,71.5 122.47,71.21 122.08,71.21 121.78,70.91 121.78,70.59 121.42,70.23 117.07,70.23 116.62,69.79 116.62,64.56 v2(117.36,63.82)